# Altium PCB WunderBar_v102b _flip.PcbDoc (part 5 of 7)
Units mil, origin at the board's own origin, x right, y up, seen from the top; angles counter-clockwise.
Board outline 4556.01 x 1552 mil, 4 copper layers (Top, Route2, Route15, Bottom), stack 52.756 mil thick; 380 components, 258 nets, 1391 pads, 528 vias.
Unrouted connection lines stored in the file: 8.
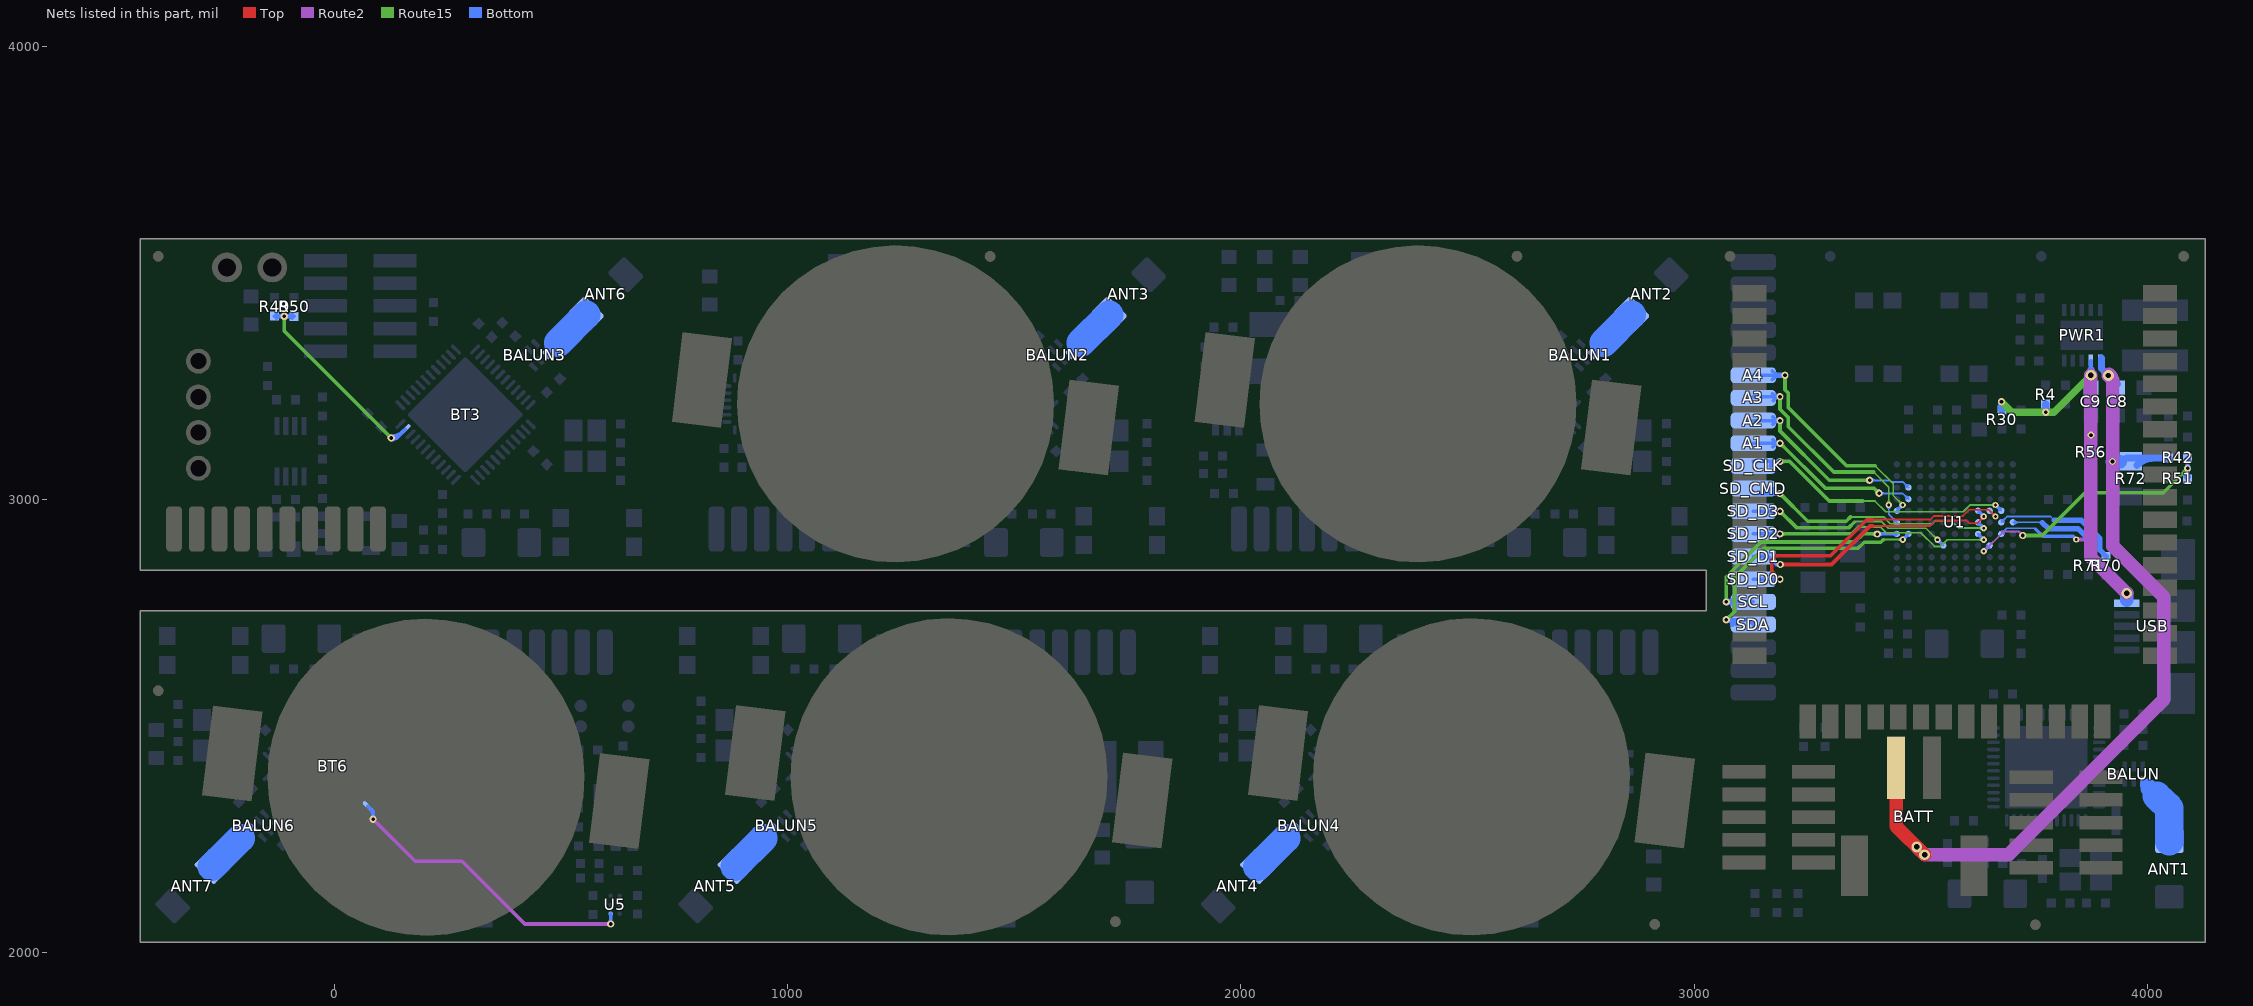
[diagram p7: the nets of this part, all layers, seen from the top]

## Via types
v1: diameter 16, hole 8, Top to Bottom, tented both sides, 282 vias
v2: diameter 24, hole 12, Top to Bottom, tented both sides, 135 vias
v3: diameter 14, hole 6, Top to Bottom, tented both sides, 34 vias
v4: diameter 48/41/41/48 (per signal layer), hole 32, Top to Bottom, 30 vias
v5: diameter 16, hole 8, Top to Route2, tented top, 18 vias
v6: diameter 21/21/21/21 (per signal layer), hole 12, Top to Bottom, tented both sides, 15 vias
v7: diameter 24, hole 12, Top to Route2, tented top, 12 vias
v8: diameter 21/21/21/21 (per signal layer), hole 12, Top to Bottom, 1 vias
v9: diameter 24, hole 8, Top to Bottom, tented both sides, 1 vias

## Nets (pads, with @x,y where several pads share a name; then routed paths per layer and width w, separated by ;. In a path a pad name is that pad's centre, name@x,y a point inside that pad or via, vN(x,y) a via of type N, cw(c..) or ccw(c..) an arc to the next point about the centre after c; other vN are vias at no path point) (continued)
SWITCH_ON: BT6.19 U5.2C | length 759.3
  Route2 w8: v5@85,2291 cw(c85,2281.34) 91.83,2288.17 cw(c98.66,2295) v5@89,2295 ; v5(85,2295) 178,2202 281,2202 419.32,2063.68 v1(609.16,2063.68) ; v1@606.33,2060.86 ccw(c599.5,2054.03) 599.5,2063.68 ccw(c599.5,2073.34) v1@606.33,2066.51
  Bottom w8: BT6.19@72.99,2323.7 85,2311.69 v5(85,2295) ; 82.17,2297.83 ccw(c75.34,2304.66) 85,2304.66 ccw(c94.66,2304.66) 87.83,2297.83 ; 85,2304.7 ccw(c68.13,2304.7) 80.06,2316.63 cw(c77.59,2309.64) 85,2309.64 ; v1@606.33,2066.51 ccw(c599.5,2073.34) 609.16,2073.34 ccw(c618.81,2073.34) v1@611.99,2066.51 ; v1(609.16,2063.68) U5.2C@609.16,2086.32
UNBAL: ANT1.1 BALUN.1 | length 164.1
  Bottom w8: BALUN.1@3989.52,2377.48 3990.52,2377.48 3997.52,2370.48 ccw(c3993.55,2366.52) BALUN.1@3990.13,2370.96
  Bottom w28: 3997.52,2370.48 4004.52,2362.48
  Bottom w40: 4004.52,2362.48 4020.52,2346.48
  Bottom w63: 4020.52,2346.48 4048.52,2319.48 ANT1.1@4048.52,2246.5
UNBAL1: ANT2.1 BALUN1.1 | length 124.5
  Bottom w10: BALUN1.1@2774.52,3320.48 2788.52,3334.48
  Bottom w36: 2788.52,3334.48 2800.52,3346.48
  Bottom w63: 2800.52,3346.48 ANT2.1@2862.52,3408.48
UNBAL2: ANT3.1 BALUN2.1 | length 124.5
  Bottom w10: BALUN2.1@1621.52,3320.48 1634.52,3334.48
  Bottom w36: 1634.52,3334.48 1646.52,3346.48
  Bottom w63: 1646.52,3346.48 ANT3.1@1709.52,3408.48
UNBAL3: ANT4.1 BALUN4.1 | length 125.2
  Bottom w10: 2111.52,2264.48 BALUN4.1@2125.52,2278.48
  Bottom w36: 2099.52,2252.48 2111.52,2264.48
  Bottom w63: ANT4.1@2036.52,2190.48 2099.52,2252.48
UNBAL4: ANT5.1 BALUN5.1 | length 124.5
  Bottom w10: 957.52,2264.48 BALUN5.1@971.52,2278.48
  Bottom w36: 945.52,2252.48 957.52,2264.48
  Bottom w63: ANT5.1@883.52,2190.48 945.52,2252.48
UNBAL5: ANT6.1 BALUN3.1 | length 124.5
  Bottom w10: BALUN3.1@467.52,3320.48 481.52,3334.48
  Bottom w36: 481.52,3334.48 493.52,3346.48
  Bottom w63: 493.52,3346.48 ANT6.1@555.52,3408.48
UNBAL6: ANT7.1 BALUN6.1 | length 125.2
  Bottom w10: -195.48,2264.48 BALUN6.1@-181.48,2278.48
  Bottom w36: -207.48,2252.48 -195.48,2264.48
  Bottom w63: ANT7.1@-270.48,2190.48 -207.48,2252.48
USB_DM: R70.2 U1.F2 | length 306.7
  Bottom w4: U1.F2@3677.59,2950.02 3690.4,2962.82 3786.18,2962.82 3794,2955 ; U1.F2@3677.59,2955.02 ccw(c3677.59,2967.09) 3686.12,2958.55 ccw(c3694.66,2950.02) U1.F2@3682.59,2950.02
  Bottom w12: 3794,2955 3854,2955 3895,2914 3895,2889 R70.2@3909,2875
USB_DP: R71.2 U1.F1 | length 240.3
  Bottom w4: U1.F1@3703.19,2950.03 3768.5,2950.03 ; U1.F1@3706.72,2946.5 cw(c3715.26,2937.96) 3715.26,2950.03 cw(c3715.26,2962.1) U1.F1@3706.72,2953.57
  Bottom w12: 3768.5,2948.92 3781.42,2936 3847,2936 3874,2909 R71.2@3874,2875
USB_VBUS: C9.1 PWR1.2 R4.2 R30.1 R56.2 U1.G2 USB.1_VBUS | length 1114.2
  Route2 w8: v3@3844,2912 3875,2912 ; 3875,2873 3875.04,2872.96
  Route2 w30: v2@3875.04,3274.48 3875.04,2872.96 v2(3954.52,2793.48)
  Route15 w16: v1(3678,3216) 3701.23,3192.77 v1(3775.52,3192.77) 3793.81,3192.77 v2@3875.04,3274
  Bottom w4: U1.G2@3677.59,2924.44 3690.15,2937 3751.5,2937 3753.5,2935 ; U1.G2@3677.59,2929.44 ccw(c3677.59,2941.51) 3686.12,2932.98 ccw(c3694.66,2924.44) U1.G2@3682.59,2924.44
  Bottom w8: 3753.5,2935 3769.5,2919 3836,2919 v3(3843,2912) ; 3875.52,3287.48 PWR1.2@3875.52,3306.48
  Bottom w16: v1(3678,3216) 3678,3198.55 R30.1@3679.07,3197.48 ; v1(3775.52,3192.77) R4.2@3775.52,3211.1 ; v2(3875.52,3274.48) 3875.52,3287.48
  Bottom w20: R56.2@3875.52,3125.15 v1(3875.52,3142.48)
  Bottom w24: C9.1@3875.52,3246.98 v2(3875.52,3274.48)
  Bottom w30: USB.1_VBUS@3954.52,2778.66 v2(3954.52,2793.48)
USER_A1: A1.1 U1.D10 | length 547.1
  Route15 w8: v1@3189.52,3120.48 cw(c3189.52,3109.22) 3197.48,3117.18 ; v1(3189.52,3124.48) 3190.19,3124.48 3289.67,3025 3397,3025 v1(3408,3014) ; v1@3193.52,3124.48 ccw(c3201.57,3124.48) 3195.88,3118.79 ; v1@3404,3014 ccw(c3394.34,3014) 3401.17,3020.83 ccw(c3408,3027.66) v1@3408,3018
  Bottom w4: v1@3408,3013.7 3460.35,3013.7 U1.D10@3472.86,3001.19 ; v1@3412.24,3009.76 cw(c3421.76,3000.24) 3421.76,3013.7 ; v1@3412.24,3018.24 ccw(c3423.21,3029.21) 3423.21,3013.7 ; U1.D10@3467.86,3001.19 ccw(c3455.78,3001.19) 3464.32,3009.73 ccw(c3472.86,3018.26) U1.D10@3472.86,3006.19
  Bottom w8: A1.1@3130.52,3124.48 v1(3189.52,3124.48) ; A1.1@3173.94,3116.54 cw(c3189.52,3105.22) v1(3189.52,3124.48) ; A1.1@3173.94,3132.42 ccw(c3189.52,3143.74) v1(3189.52,3124.48) ; v1@3186.06,3122.48 ccw(c3177.69,3117.65) 3180.19,3126.98 ccw(c3182.69,3136.31) v1@3187.52,3127.94 ; v1@3186.06,3126.48 cw(c3177.69,3131.31) 3180.19,3121.98 cw(c3182.69,3112.65) v1@3187.52,3121.02 ; v1@3186.69,3121.65 ccw(c3179.86,3114.82) 3179.86,3124.48 ccw(c3179.86,3134.14) v1@3186.69,3127.31
USER_A2: A2.1 U1.C10 | length 570.8
  Route15 w8: v1@3186.69,3171.65 cw(c3179.86,3164.82) 3189.52,3164.82 cw(c3199.18,3164.82) v1@3192.35,3171.65 ; v1(3189.52,3174.48) 3189.52,3151.48 3298.09,3042.91 v1(3387.09,3042.91) ; v1@3384.27,3040.08 ccw(c3377.44,3033.25) 3377.44,3042.91 ccw(c3377.44,3052.56) v1@3384.27,3045.73
  Bottom w4: v1(3387.09,3042.91) 3387.56,3042.44 3431.56,3042.44 3434.73,3039.27 3460.35,3039.27 U1.C10@3472.86,3026.76 ; v1@3391.34,3038.66 cw(c3400.46,3029.54) 3400.46,3042.44 ; v1@3391.34,3047.15 ccw(c3402.7,3058.51) 3402.7,3042.44 ; U1.C10@3467.86,3026.76 ccw(c3455.78,3026.76) 3464.32,3035.3 ccw(c3472.86,3043.84) U1.C10@3472.86,3031.76
  Bottom w8: A2.1@3130.52,3174.48 v1(3189.52,3174.48) ; A2.1@3173.94,3166.54 cw(c3189.52,3155.22) v1(3189.52,3174.48) ; A2.1@3173.94,3182.42 ccw(c3189.52,3193.74) v1(3189.52,3174.48) ; v1@3186.06,3172.48 ccw(c3177.69,3167.65) 3180.19,3176.98 ccw(c3182.69,3186.31) v1@3187.52,3177.94 ; v1@3186.06,3176.48 cw(c3177.69,3181.31) 3180.19,3171.98 cw(c3182.69,3162.65) v1@3187.52,3171.02 ; v1@3186.69,3171.65 ccw(c3179.86,3164.82) 3179.86,3174.48 ccw(c3179.86,3184.14) v1@3186.69,3177.31
USER_A3: A3.1 U1.F11 | length 644.4
  Route15 w4: 3396,3061 3429.35,3027.65 v3(3429.35,2988.39) ; v3@3425.82,2991.93 ccw(c3417.28,3000.47) 3429.35,3000.47 ccw(c3441.42,3000.47) v3@3432.89,2991.93
  Route15 w8: v1@3186.69,3224.65 cw(c3179.86,3217.82) 3189.52,3217.82 cw(c3199.18,3217.82) v1@3192.35,3224.65 ; v1(3189.52,3227.48) 3189.52,3199.8 3207.83,3181.49 3207.83,3161.17 3308,3061 3396,3061
  Bottom w4: v3@3425.82,2984.86 cw(c3417.28,2976.32) 3429.35,2976.32 cw(c3441.42,2976.32) v3@3432.89,2984.86 ; v3(3429.35,2988.39) 3429.35,2967.93 U1.F11@3447.26,2950.02 ; U1.F11@3442.26,2950.02 ccw(c3430.19,2950.02) 3438.72,2958.56 ccw(c3447.26,2967.1) U1.F11@3447.26,2955.02
  Bottom w8: A3.1@3130.52,3227.48 v1(3189.52,3227.48) ccw(c3189.52,3211.45) A3.1@3175.13,3218.52 ; A3.1@3172.57,3234.03 ccw(c3188.37,3249.83) v1@3188.37,3227.48 ; A3.1@3179.42,3229.88 ccw(c3182.18,3240.19) v1@3187.52,3230.94 ; 3180.81,3229.51 cw(c3178.57,3221.16) v1@3186.06,3225.48 ; v1@3185.85,3229.08 cw(c3179.79,3231.71) 3181.5,3225.33 cw(c3183.21,3218.95) v1@3187.14,3224.26 ; v1@3186.69,3224.65 ccw(c3179.86,3217.82) 3179.86,3227.48 ccw(c3179.86,3237.14) v1@3186.69,3230.31
USER_A4: A4.1 U1.E11 | length 710.4
  Route15 w4: 3399,3075 3439.26,3034.74 3439.26,3009.2 v3(3460.06,2988.39) ; v3@3455.06,2988.39 ccw(c3442.99,2988.39) 3451.53,2996.93 ccw(c3460.06,3005.47) v3@3460.06,2993.39
  Route15 w8: v1@3197.69,3271.65 cw(c3190.86,3264.82) 3200.52,3264.82 cw(c3210.18,3264.82) v1@3203.35,3271.65 ; v1(3200.52,3274.48) 3200.52,3242.48 3208,3235 3208,3203 3336,3075 3399,3075
  Bottom w4: U1.E11@3447.26,2975.61 v3(3460.06,2988.39) ; U1.E11@3447.26,2980.61 ccw(c3447.26,2992.68) 3455.79,2984.14 ccw(c3464.33,2975.61) U1.E11@3452.26,2975.61 ; U1.E11@3449.61,2980.57 ccw(c3444.05,2990.19) v3@3455.09,2988.95 ; U1.E11@3451.5,2979.85 cw(c3460.06,2971.28) v3@3460.06,2983.39 ; U1.E11@3451.54,2979.89 ccw(c3443.03,2988.39) v3@3455.06,2988.39 ; U1.E11@3452.21,2977.95 cw(c3461.82,2972.4) v3@3460.61,2983.42 ; 3453.62,2982.89 cw(c3457.01,2977.01) v3@3458.77,2983.56 ; 3454.56,2982.01 ccw(c3448.75,2985.36) v3@3455.23,2987.1
  Bottom w8: A4.1@3130.52,3274.48 v1(3200.52,3274.48) ; A4.1@3172.57,3264.93 cw(c3195.61,3241.89) 3195.61,3274.48 cw(c3195.61,3307.07) A4.1@3172.57,3284.03 ; 3187.9,3272.41 cw(c3191.52,3258.9) v1@3198.52,3271.02 ; 3187.9,3276.55 ccw(c3191.52,3290.06) v1@3198.52,3277.94 ; v1@3197.69,3271.65 ccw(c3190.86,3264.82) 3190.86,3274.48 ccw(c3190.86,3284.14) v1@3197.69,3277.31
USER_I2C_SCL: SCL.1 U1.G11 | length 670.4
  Route15 w8: v1@3068.17,2777.31 ccw(c3061.34,2784.14) 3071,2784.14 ccw(c3080.66,2784.14) v1@3073.83,2777.31 ; v1(3071,2774.48) 3071,2830 3147.57,2906.57 3354.57,2906.57 3372.45,2924.45 v1@3404,2924.45 ; 3393.26,2924.45 cw(c3393.26,2913.26) v1@3401.17,2921.17 ; 3395.43,2924.45 ccw(c3395.43,2932.57) v1@3401.17,2926.83
  Bottom w8: v1@3073,2771.02 cw(c3077.83,2762.65) 3080.33,2771.98 cw(c3082.83,2781.31) v1@3074.46,2776.48 ; v1@3073,2777.94 ccw(c3077.83,2786.31) 3080.33,2776.98 ccw(c3082.83,2767.65) v1@3074.46,2772.48 ; v1@3073.83,2771.65 cw(c3080.66,2764.82) 3080.66,2774.48 cw(c3080.66,2784.14) v1@3073.83,2777.31 ; SCL.1@3087.22,2766.37 ccw(c3071,2754.19) v1(3071,2774.48) ; SCL.1@3087.22,2782.59 cw(c3071,2794.77) v1(3071,2774.48) ; SCL.1@3130.52,2774.48 v1(3071,2774.48) ; v1@3404,2924.45 U1.G11@3447.26,2924.45 ; v1@3406.83,2921.17 cw(c3414.74,2913.26) 3414.74,2924.45 ; v1@3406.83,2926.83 ccw(c3412.57,2932.57) 3412.57,2924.45 ; U1.G11@3445.14,2922.33 ccw(c3440.01,2917.21) 3440.01,2924.45 ccw(c3440.01,2931.69) U1.G11@3445.14,2926.57
  other v1: 3404,2924
USER_I2C_SDA: SDA.1 U1.G10 | length 744.7
  Route15 w4: 3417.95,2911.95 v3(3460.36,2911.95) ; v3@3456.83,2908.41 ccw(c3448.29,2899.88) 3448.29,2911.95 ccw(c3448.29,2924.02) v3@3456.83,2915.49
  Route15 w8: v1(3071,2735) 3089,2753 3089,2828.33 3153.33,2892.67 3361.67,2892.67 3375,2906 3412,2906 3417.95,2911.95 ; v1@3071,2739 ccw(c3071,2748.66) 3077.83,2741.83 ccw(c3084.66,2735) v1@3075,2735
  Bottom w4: v3@3459.9,2916.93 ccw(c3458.93,2927.2) U1.G10@3467.86,2922.04 ; v3(3460.36,2911.95) U1.G10@3472.86,2924.44 ; v3@3460.36,2916.95 ccw(c3460.36,2929.02) 3468.9,2920.49 ccw(c3477.44,2911.95) v3@3465.36,2911.95 ; v3@3461.66,2916.78 ccw(c3463.5,2923.66) 3467.07,2917.49 ; v3@3465.19,2913.24 cw(c3472.08,2915.09) 3465.91,2918.65 ; v3@3465.34,2911.48 cw(c3475.61,2910.51) U1.G10@3470.46,2919.45 ; U1.G10@3467.86,2924.44 cw(c3455.78,2924.44) 3464.32,2915.91 cw(c3472.86,2907.37) U1.G10@3472.86,2919.44
  Bottom w8: v1@3073.83,2732.17 cw(c3080.66,2725.34) 3080.66,2735 cw(c3080.66,2744.66) v1@3073.83,2737.83 ; 3080,2735 cw(c3080,2722.36) SDA.1@3092.56,2723.84 ; SDA.1@3084.61,2722.9 ccw(c3071,2721.29) v1(3071,2735) 3120,2735 SDA.1@3130.52,2724.48
USER_SD_CLK: SD_CLK.1 U1.E2 | length 760.1
  Route15 w4: 3372,2997 3398.75,2997 3422.52,2973.23 3422.77,2973.49 3556.2,2973.49 ; 3556.22,2973.47 3594.16,2973.47 3609.08,2988.39 v3(3664.79,2988.39) ; v3@3661.26,2984.86 ccw(c3652.72,2976.32) 3652.72,2988.39 ccw(c3652.72,3000.47) v3@3661.26,2991.93
  Route15 w8: v1(3189.52,3084.48) 3210.52,3084.48 3298,2997 3372,2997 ; v1@3192.35,3081.65 cw(c3199.18,3074.82) 3199.18,3084.48 cw(c3199.18,3094.14) v1@3192.35,3087.31
  Bottom w4: v3@3664.24,2983.42 cw(c3663.02,2972.4) U1.E2@3672.63,2977.94 ; v3@3664.79,2983.39 cw(c3664.79,2971.32) 3673.33,2979.86 cw(c3681.87,2988.39) v3@3669.79,2988.39 ; v3(3664.79,2988.39) U1.E2@3677.59,2975.6 ; v3@3666.09,2983.56 cw(c3667.83,2977.05) 3671.21,2982.89 ; v3@3669.62,2987.1 ccw(c3676.14,2985.35) 3670.3,2981.98 ; v3@3669.76,2988.95 ccw(c3680.79,2990.17) U1.E2@3675.24,2980.56 ; U1.E2@3672.59,2975.6 ccw(c3660.52,2975.6) 3669.05,2984.14 ccw(c3677.59,2992.67) U1.E2@3677.59,2980.6
  Bottom w8: SD_CLK.1@3130.52,3084.48 v1(3189.52,3084.48) ccw(c3189.52,3071.29) SD_CLK.1@3176.42,3072.87 ; SD_CLK.1@3168.48,3073.82 cw(c3180.5,3072.38) 3180.5,3084.48 ; v1@3186.69,3081.65 ccw(c3179.86,3074.82) 3179.86,3084.48 ccw(c3179.86,3094.14) v1@3186.69,3087.31
USER_SD_CMD: SD_CMD.1 U1.F4 | length 728
  Route15 w4: 3345,2962 3418,2962 3433,2947 3525,2947 3531,2953 3568.1,2953 3583.86,2937.24 v3(3639.22,2937.24) ; v3@3635.68,2933.7 ccw(c3627.15,2925.17) 3627.15,2937.24 ccw(c3627.15,2949.31) v3@3635.68,2940.77
  Route15 w8: v1@3189.52,3009.48 cw(c3189.52,2999.82) 3196.35,3006.65 cw(c3203.18,3013.48) v1@3193.52,3013.48 ; v1(3189.52,3013.48) 3250.71,2952.29 3335.29,2952.29 3345,2962
  Bottom w4: U1.F4@3626.43,2945.02 cw(c3626.43,2932.95) 3634.97,2941.49 cw(c3643.5,2950.02) U1.F4@3631.43,2950.02 ; U1.F4@3626.43,2950.02 v3(3639.22,2937.24) ; U1.F4@3628.78,2945.06 cw(c3623.24,2935.47) v3@3634.25,2936.69 ; U1.F4@3631.39,2947.68 ccw(c3640.98,2953.21) v3@3639.77,2942.21 ; 3632.79,2942.74 ccw(c3636.17,2948.6) v3@3637.92,2942.07 ; 3633.71,2943.66 cw(c3627.86,2940.28) v3@3634.39,2938.53 ; v3@3634.22,2937.24 ccw(c3622.15,2937.24) 3630.68,2945.77 ccw(c3639.22,2954.31) v3@3639.22,2942.24
  Bottom w8: SD_CMD.1@3130.52,3013.48 v1(3189.52,3013.48) cw(c3189.52,3026.56) SD_CMD.1@3176.48,3025.54 ; SD_CMD.1@3168.5,3024.91 ccw(c3180.87,3025.88) 3180.87,3013.48 ; v1@3186.69,3010.65 ccw(c3179.86,3003.82) 3179.86,3013.48 ccw(c3179.86,3023.14) v1@3186.69,3016.31
USER_SD_D0: SD_D0.1 U1.E3 | length 710.5
  Top w4: 3394,2956 3520.5,2956 3528.5,2964 3593,2964 3606.76,2977.76 3649.82,2977.76 v3(3664.78,2962.79) ; v3@3659.78,2962.79 ccw(c3647.71,2962.79) 3656.25,2971.33 ccw(c3664.78,2979.87) v3@3664.78,2967.79
  Top w8: v1(3189.52,2824.48) 3171,2843 3171,2866 3181,2876 3301,2876 3381,2956 3394,2956
  Bottom w4: U1.E3@3652.01,2975.59 v3(3664.78,2962.79) ; U1.E3@3656.23,2971.37 cw(c3647.65,2962.79) v3@3659.78,2962.79 ; U1.E3@3656.29,2971.31 ccw(c3664.78,2979.8) v3@3664.78,2967.79
  Bottom w8: SD_D0.1@3130.52,2824.48 v1(3189.52,2824.48)
USER_SD_D1: SD_D1.1 U1.E4 | length 671.1
  Top w4: 3394,2942 3520.51,2942 3532.51,2954 3601.38,2954 3607.43,2947.95 3624.37,2947.95 v3(3639.19,2962.77) ; v3@3634.19,2962.77 cw(c3622.12,2962.77) 3630.66,2954.24 cw(c3639.19,2945.7) v3@3639.19,2957.77
  Top w8: v1(3190,2857) 3303,2857 3388,2942 3394,2942
  Bottom w4: U1.E4@3626.43,2970.61 cw(c3626.43,2958.54) 3634.97,2967.07 cw(c3643.5,2975.61) U1.E4@3631.43,2975.61 ; U1.E4@3626.43,2975.61 v3(3639.19,2962.77) v3(3639.19,2962.77) ; U1.E4@3628.75,2970.66 cw(c3623.22,2961.08) v3@3634.22,2962.25 ; U1.E4@3630.61,2971.43 cw(c3621.94,2962.77) v3@3634.19,2962.77 ; U1.E4@3630.78,2971.26 ccw(c3639.19,2979.67) v3@3639.19,2967.77 ; U1.E4@3631.41,2973.24 ccw(c3641.06,2978.81) v3@3639.77,2967.74 ; 3632.91,2968.26 ccw(c3636.2,2973.95) v3@3637.9,2967.6 ; 3633.67,2969.31 cw(c3627.68,2965.86) v3@3634.36,2964.07
  Bottom w8: SD_D1.1@3130.52,2874.48 3163.52,2874.48 3181,2857 v1(3190,2857)
USER_SD_D2: SD_D2.1 U1.G4 | length 742.5
  Route15 w4: 3363,2940 3411,2940 3424,2927 3500.34,2927 3530.61,2896.73 3543.15,2896.73 3558.08,2911.66 v3(3639.22,2911.66) ; v3@3635.68,2908.13 ccw(c3627.15,2899.59) 3627.15,2911.66 ccw(c3627.15,2923.73) v3@3635.68,2915.2
  Route15 w8: v1(3189.52,2924.48) 3347.48,2924.48 3363,2940 ; v1@3192.35,2921.65 cw(c3199.18,2914.82) 3199.18,2924.48 cw(c3199.18,2934.14) v1@3192.35,2927.31
  Bottom w4: U1.G4@3626.43,2919.45 cw(c3626.43,2907.38) 3634.97,2915.91 cw(c3643.5,2924.45) U1.G4@3631.43,2924.45 ; U1.G4@3626.43,2924.45 v3(3639.22,2911.66) ; U1.G4@3628.78,2919.49 cw(c3623.24,2909.9) v3@3634.25,2911.11 ; U1.G4@3631.39,2922.1 ccw(c3640.98,2927.64) v3@3639.77,2916.63 ; 3632.79,2917.17 ccw(c3636.17,2923.02) v3@3637.92,2916.49 ; 3633.71,2918.09 cw(c3627.86,2914.71) v3@3634.39,2912.96 ; v3@3634.22,2911.66 ccw(c3622.15,2911.66) 3630.68,2920.2 ccw(c3639.22,2928.73) v3@3639.22,2916.66
  Bottom w8: SD_D2.1@3130.52,2924.48 v1(3189.52,2924.48) ; SD_D2.1@3173.94,2916.54 cw(c3189.52,2905.22) v1(3189.52,2924.48) ; SD_D2.1@3173.94,2932.42 ccw(c3189.52,2943.74) v1(3189.52,2924.48) ; v1@3186.06,2922.48 ccw(c3177.69,2917.65) 3180.19,2926.98 ccw(c3182.69,2936.31) v1@3187.52,2927.94 ; v1@3186.06,2926.48 cw(c3177.69,2931.31) 3180.19,2921.98 cw(c3182.69,2912.65) v1@3187.52,2921.02 ; v1@3186.69,2921.65 ccw(c3179.86,2914.82) 3179.86,2924.48 ccw(c3179.86,2934.14) v1@3186.69,2927.31
USER_SD_D3: SD_D3.1 U1.H7 | length 645.7
  Route15 w4: 3354,2952 3413.03,2952 3428.03,2937 3511.49,2937 v3(3536.84,2911.65) ; v3@3531.84,2911.65 ccw(c3519.77,2911.65) 3528.3,2920.19 ccw(c3536.84,2928.72) v3@3536.84,2916.65
  Route15 w8: v1@3189.52,2970.48 cw(c3189.52,2960.82) 3196.35,2967.65 cw(c3203.18,2974.48) v1@3193.52,2974.48 ; v1(3189.52,2974.48) 3225.61,2938.39 3341.72,2938.39 3353.43,2950.09
  Bottom w4: v3@3536.29,2906.68 cw(c3535.06,2895.65) U1.H7@3544.67,2901.2 ; v3(3536.84,2911.65) v3(3536.84,2911.65) U1.H7@3549.64,2898.86 ; v3@3536.84,2906.65 cw(c3536.84,2894.58) 3545.38,2903.12 cw(c3553.91,2911.65) v3@3541.84,2911.65 ; v3@3538.13,2906.82 cw(c3539.88,2900.31) 3543.25,2906.15 ; v3@3541.67,2910.36 ccw(c3548.19,2908.61) 3542.34,2905.24 ; v3@3541.81,2912.21 ccw(c3552.84,2913.43) U1.H7@3547.29,2903.82 ; U1.H7@3544.64,2898.86 ccw(c3532.56,2898.86) 3541.1,2907.39 ccw(c3549.64,2915.93) U1.H7@3549.64,2903.86
  Bottom w8: SD_D3.1@3130.52,2974.48 v1(3189.52,2974.48) ; SD_D3.1@3173.94,2966.54 cw(c3189.52,2955.22) v1(3189.52,2974.48) ; SD_D3.1@3173.94,2982.42 ccw(c3189.52,2993.74) v1(3189.52,2974.48) ; v1@3186.06,2972.48 ccw(c3177.69,2967.65) 3180.19,2976.98 ccw(c3182.69,2986.31) v1@3187.52,2977.94 ; v1@3186.06,2976.48 cw(c3177.69,2981.31) 3180.19,2971.98 cw(c3182.69,2962.65) v1@3187.52,2971.02 ; v1@3186.69,2971.65 ccw(c3179.86,2964.82) 3179.86,2974.48 ccw(c3179.86,2984.14) v1@3186.69,2977.31
V_POWER_SENSE: BT3.11 R49.1 R50.2 | length 651.6
  Route15 w8: v1@-113.83,3401.65 cw(c-120.66,3394.82) -111,3394.82 cw(c-101.34,3394.82) v1@-108.17,3401.65 ; v1(-111,3404.48) -111,3372 v1(125,3136) ; v1@121,3136 ccw(c111.34,3136) 118.17,3142.83 ccw(c125,3149.66) v1@125,3140
  Bottom w8: R49.1@-132.48,3404.48 v1(-111,3404.48) R50.2@-89.48,3404.48 ; R49.1@-128.24,3400.57 cw(c-118.79,3391.12) v1@-118.79,3404.48 ; R49.1@-128.24,3409.05 ccw(c-117.2,3420.09) v1@-117.2,3404.48 ; -122.32,3405.85 ccw(c-119.69,3415.68) v1@-113.45,3407.64 ; -122.1,3403.6 cw(c-119.78,3394.93) v1@-113.71,3401.54 ; v1@-113.83,3401.65 ccw(c-120.66,3394.82) -120.66,3404.48 ccw(c-120.66,3414.14) v1@-113.83,3407.31 ; v1@-108.42,3401.42 cw(c-102.25,3394.11) -99.77,3403.36 ; v1@-108.42,3407.54 ccw(c-102.25,3414.85) -99.77,3405.6 ; v1@-108.17,3401.65 cw(c-101.34,3394.82) -101.34,3404.48 cw(c-101.34,3414.14) v1@-108.17,3407.31 ; R50.2@-93.72,3400.24 ccw(c-103.97,3389.99) -103.97,3404.48 ccw(c-103.97,3418.97) R50.2@-93.72,3408.72 ; v1@125,3132 ccw(c125,3150.88) 138.35,3137.53 ; v1(125,3136) 136.82,3136 BT3.11@156.29,3155.47 ; v1@125,3140 ccw(c125,3178.19) BT3.11@152.01,3151.19 ; v1@127.83,3133.17 cw(c134.66,3126.34) 134.66,3136 cw(c134.66,3145.66) v1@127.83,3138.83
VBAT: BATT.1 C8.1 PWR1.1 R42.2 R72.2 | length 1933.1
  Top w30: BATT.1@3445.52,2388.25 3445.52,2279.48 v2(3508.52,2216.48)
  Route2 w30: v2@3491.94,2233.06 v2(3508.52,2216.48) 3693.52,2216.48 4036.52,2559.48 4036.52,2784.48 3924,2897 3924,3264 v2(3914,3274) ; v2@3916.12,3276.12 cw(c3897.1,3257.1) 3924,3257.1
  Bottom w16: PWR1.1@3899,3312 3899,3289.46 C8.1@3933.48,3254.98 ; v2@3912.46,3276 cw(c3883.44,3246.98) C8.1@3924.48,3246.98 ; R72.2@3954.28,3092.11 R42.2@4046.69,3092.11 ; R72.2@3977.01,3076.21 cw(c4015.38,3037.83) 4015.38,3092.11
  Bottom w30: v1(3923,3084.11) R72.2@3939.76,3084.11
  other v2: 3491,2234
VBAT_SENSE: R42.1 R51.2 U1.H3 | length 809.5
  Route2 w4: v3(3639.24,2886.06) 3683.01,2929.83 3716.17,2929.83 ; v3@3639.24,2891.06 ccw(c3639.24,2903.13) 3647.77,2894.59 ccw(c3656.31,2886.06) v3@3644.24,2886.06 ; v1@3719.04,2921.66 ccw(c3709.11,2922.77) 3716.17,2929.83 ; v1@3724.34,2926.96 cw(c3723.23,2936.89) 3716.17,2929.83 ; v1(3725,2921) 3716.17,2929.83
  Route15 w8: v1(3725,2921) 3768,2921 3862.28,3015.28 4035.04,3015.28 v1(4088.8,3069.04) ; v1@3727.83,2918.17 cw(c3734.66,2911.34) 3734.66,2921 cw(c3734.66,2930.66) v1@3727.83,2923.83 ; v1@4084.8,3069.04 cw(c4075.14,3069.04) 4081.97,3062.21 cw(c4088.8,3055.38) v1@4088.8,3065.04
  Bottom w4: v3@3638.69,2891.03 ccw(c3637.48,2902.01) U1.H3@3647.05,2896.49 ; v3(3639.24,2886.06) U1.H3@3652.01,2898.83 ; v3@3639.24,2891.06 ccw(c3639.24,2903.13) 3647.77,2894.59 ccw(c3656.31,2886.06) v3@3644.24,2886.06 ; v3@3640.53,2890.89 ccw(c3642.28,2897.43) 3645.67,2891.56 ; v3@3644.07,2887.35 cw(c3650.61,2889.1) 3644.74,2892.49 ; v3@3644.21,2885.51 cw(c3655.19,2884.3) U1.H3@3649.67,2893.87 ; U1.H3@3647.01,2898.83 cw(c3634.94,2898.83) 3643.48,2890.3 cw(c3652.01,2881.76) U1.H3@3652.01,2893.83
  Bottom w8: R51.2@4084.11,3049.94 ccw(c4073.87,3060.18) 4088.35,3060.18 ccw(c4102.84,3060.18) R51.2@4092.6,3049.94 ; R42.1@4084.11,3087.87 cw(c4073.87,3077.62) 4088.35,3077.62 ; v1@4085.97,3066.21 cw(c4080.22,3060.46) 4088.35,3060.46 ; v1@4085.97,3071.87 ccw(c4080.22,3077.62) 4088.35,3077.62 ; R51.2@4088.35,3045.7 R42.1@4088.35,3092.11 ; 4088.35,3058.3 cw(c4099.54,3058.3) v1@4091.63,3066.21 ; 4088.35,3079.77 ccw(c4099.54,3079.77) v1@4091.63,3071.87 ; R42.1@4092.6,3087.87 ccw(c4102.84,3077.62) 4088.35,3077.62